# KiCad board LivSynth_Hardware_0v01.kicad_pcb (continued)
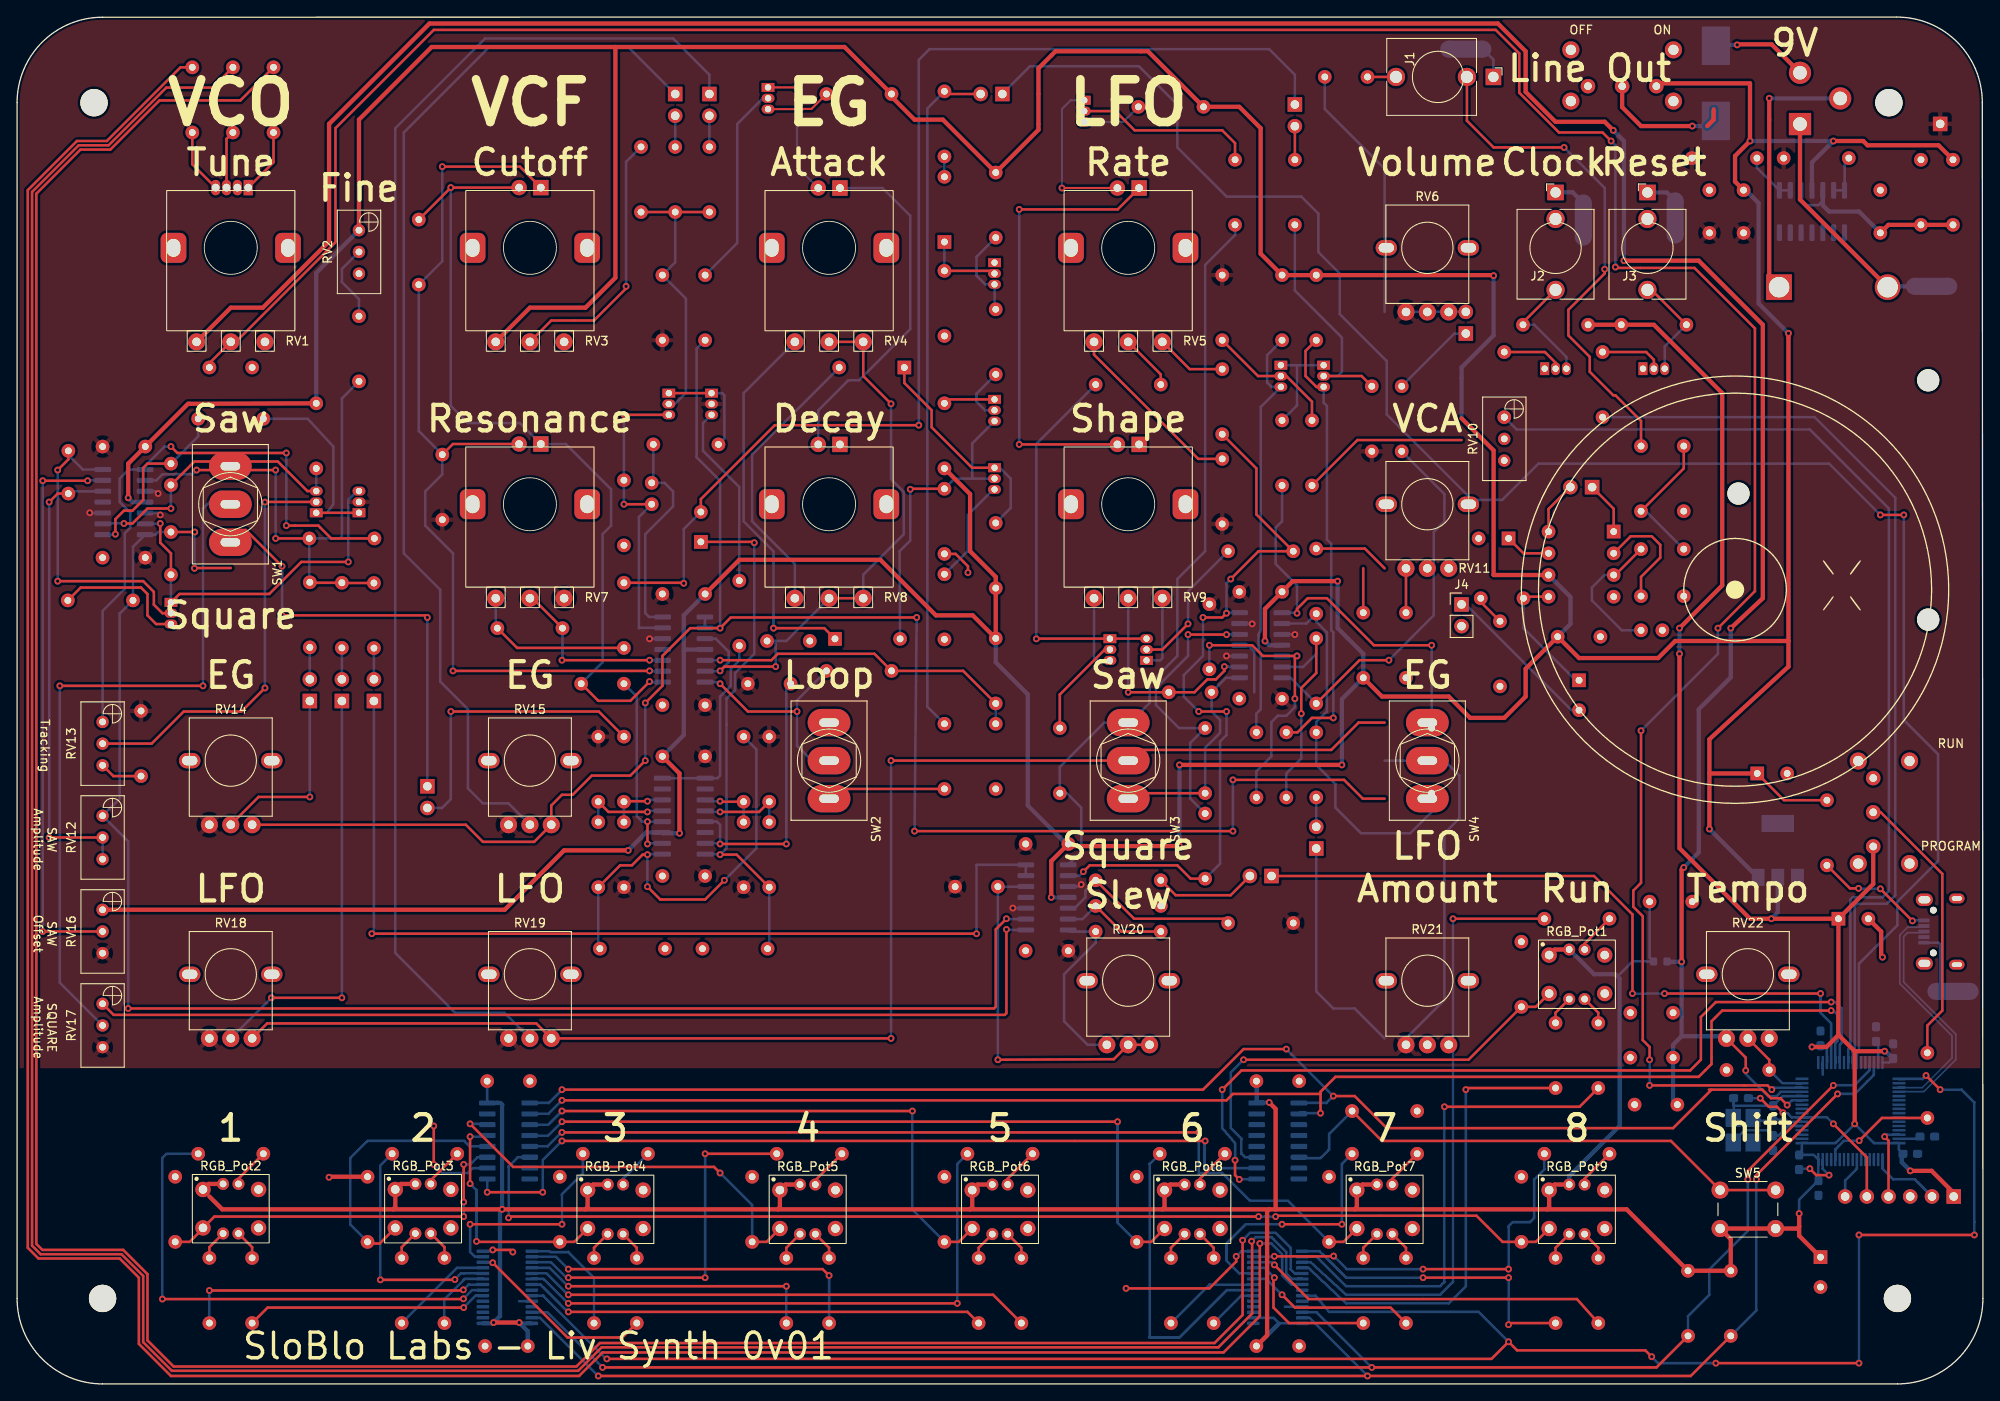
[diagram p0: board, top side]
## Placement (name value [footprint] x y rotation side) (continued)
RV13  100  [Potentiometer_Bourns_3296W_Vertical]  10 77.46 90 top
RV14  100K  [Alpha_RD901F]  25 72.93 0 top
RV15  100K  [Alpha_RD901F]  60 72.93 0 top
RV16  100K  [Potentiometer_Bourns_3296W_Vertical]  10 55.48 90 top
RV17  100K  [Potentiometer_Bourns_3296W_Vertical]  10 44.48 90 top
RV18  100K  [Alpha_RD901F]  25 47.93 0 top
RV19  100K  [Alpha_RD901F]  60 47.93 0 top
RV20  100K  [Alpha_RD901F]  130 47.18 0 top
RV21  100K  [Alpha_RD901F]  165 47.18 0 top
RV22  10K  [Alpha_RD901F]  202.5 47.93 0 top
SW1  SW_SPDT  [SW_Toggle_MS500C]  24.95 102.93 90 top
SW2  SW_SPST  [SW_Toggle_MS500C]  95 72.93 90 top
SW3  SW_SPDT  [SW_Toggle_MS500C]  130 72.93 270 top
SW4  SW_SPDT  [SW_Toggle_MS500C]  165 72.93 90 top
SW5  SW_Push  [E-Switch_TL1105SP]  202.5 20.43 0 top
SW6  SW_SPDT  [SW_E-Switch_EG1224_SPDT_Angled]  183.79 151.85 0 bottom
SW7  SW_SPDT  [SW_E-Switch_EG1224_SPDT_Angled]  217.17 70.89 270 bottom
TH1  2K 3300ppm LT16S202F33  [R_Axial_DIN0207_L6.3mm_D2.5mm_P7.62mm_Horizontal]  34.19 98.93 0 bottom
TP1  VGND  [PinHeader_1x01_P2.54mm_Vertical]  225 147.43 180 bottom
U1  TL074  [SOIC-14_3.9x8.7mm_P1.27mm]  210 137.18 270 bottom
U2  LM386  [DIP-8_W7.62mm_Socket]  186.8 99.73 180 bottom
U3  TL074  [SOIC-14_3.9x8.7mm_P1.27mm]  145.5 86.43 180 bottom
U4  TL074  [SOIC-14_3.9x8.7mm_P1.27mm]  12.5 103.18 180 bottom
U5  LM1117-3.3  [SOT-223]  206 62.43 90 bottom
U6  TL074  [SOIC-14_3.9x8.7mm_P1.27mm]  78 85.93 180 bottom
U7  LM13700  [SOP-16_3.9x9.9mm_P1.27mm]  78 66.43 180 bottom
U8  TL074  [SOIC-14_3.9x8.7mm_P1.27mm]  120.5 56.93 180 bottom
U9  STM32F405RGT6  [LQFP-64_10x10mm_P0.5mm]  214.5 31.93 0 bottom
U10  74HC165  [SOIC-16_3.9x9.9mm_P1.27mm]  147.5 28.43 180 bottom
U11  PCA9685PW  [TSSOP-28_4.4x9.7mm_P0.65mm]  147.5 11.3 0 bottom
U12  PCA9685PW  [TSSOP-28_4.4x9.7mm_P0.65mm]  57.36 11.3 0 bottom
U13  74HC165  [SOIC-16_3.9x9.9mm_P1.27mm]  57.5 28.43 180 bottom
Y1  ABM8-16  [Crystal_SMD_3225-4Pin_3.2x2.5mm_HandSoldering]  201.95 29.68 90 bottom

## Library data of the parts
D7 D8 D11 = -: Field4: K
SW1-SW4 = -: Field4: https://cdn-reichelt.de/documents/datenblatt/C200/MS-500X-X-X.pdf

## Footprints (pads in the part's own frame, mm; a bottom-side part is the same pattern mirrored in y, then rotated)
Alpha_RD901F
  round 2 hole 1: 1(-2.5,-7.5) 2(0,-7.5) 3(2.5,-7.5)
  oval 2.5x1.8 hole 1.8x1.1: 4(-4.8,0) 5(4.8,0)
BarrelJack_CUI_PJ-102AH_Horizontal
  rect 2.6x2.6 hole 1.6: 1(0,0)
  round 2.6 hole 1.6: 2(0,-6) 3(4.7,-3)
BatteryHolder_Eagle_12BH611-GR
  round 2.6 hole 2.6 unplated: (-38.9,17.45) (-24.15,-4.75) (-10.9,17.45)
  rect 3x3 hole 2.4: 1(0,0)
  round 3 hole 2.4: 2(0,12.7)
C_0603_1608Metric_Pad1.08x0.95mm_HandSolder
  rrect 1.075x0.95 smd: 1(-0.863,0) 2(0.863,0)
C_Disc_D3.0mm_W1.6mm_P2.50mm
  round 1.6 hole 0.8: 1(0,0) 2(2.5,0)
C_Rect_L7.2mm_W2.5mm_P5.00mm_FKS2_FKP2_MKS2_MKP2
  round 1.6 hole 0.8: 1(0,0) 2(5,0)
C_Rect_L7.2mm_W4.5mm_P5.00mm_FKS2_FKP2_MKS2_MKP2
  round 1.6 hole 0.8: 1(0,0) 2(5,0)
C_Rect_L7.2mm_W5.5mm_P5.00mm_FKS2_FKP2_MKS2_MKP2
  round 1.6 hole 0.8: 1(0,0) 2(5,0)
CP_Radial_D8.0mm_P3.50mm
  rect 1.6x1.6 hole 0.8: 1(0,0)
  round 1.6 hole 0.8: 2(3.5,0)
Crystal_SMD_3225-4Pin_3.2x2.5mm_HandSoldering
  rect 2.1x1.8 smd: 1(-1.45,-1.15) 2(1.45,-1.15) 3(1.45,1.15) 4(-1.45,1.15)
D_DO-35_SOD27_P7.62mm_Horizontal
  rect 1.6x1.6 hole 0.8: 1(0,0)
  oval 1.6x1.6 hole 0.8: 2(7.62,0)
D_SMC_Handsoldering
  rect 4.5x3.3 smd: 1(-4.4,0) 2(4.4,0)
DIP-8_W7.62mm_Socket
  rect 1.6x1.6 hole 0.8: 1(0,0)
  oval 1.6x1.6 hole 0.8: 2(0,-2.54) 3(0,-5.08) 4(0,-7.62) 5(7.62,-7.62) 6(7.62,-5.08) 7(7.62,-2.54) 8(7.62,0)
E-Switch_TL1105SP
  round 2 hole 1.1: 1(-3.25,2.25) 1(3.25,2.25) 2(-3.25,-2.25) 2(3.25,-2.25)
L_0603_1608Metric
  rrect 0.875x0.95 smd: 1(-0.787,0) 2(0.787,0)
LED_D5.0mm
  rect 1.8x1.8 hole 0.9: 1(0,0)
  round 1.8 hole 0.9: 2(2.54,0)
LED_D5.0mm-4_RGB
  rect 1.07x1.8 hole 0.9: 1(0,0)
  oval 1.07x1.8 hole 0.9: 2(1.27,0) 3(2.54,0) 4(3.81,0)
LQFP-64_10x10mm_P0.5mm
  rrect 1.55x0.3 smd: 1(-5.675,3.75) 2(-5.675,3.25) 3(-5.675,2.75) 4(-5.675,2.25) 5(-5.675,1.75) 6(-5.675,1.25) 7(-5.675,0.75) 8(-5.675,0.25) 9(-5.675,-0.25) 10(-5.675,-0.75) 11(-5.675,-1.25) 12(-5.675,-1.75) 13(-5.675,-2.25) 14(-5.675,-2.75) 15(-5.675,-3.25) 16(-5.675,-3.75) 33(5.675,-3.75) 34(5.675,-3.25) 35(5.675,-2.75) 36(5.675,-2.25) 37(5.675,-1.75) 38(5.675,-1.25) 39(5.675,-0.75) 40(5.675,-0.25) 41(5.675,0.25) 42(5.675,0.75) 43(5.675,1.25) 44(5.675,1.75) 45(5.675,2.25) 46(5.675,2.75) 47(5.675,3.25) 48(5.675,3.75)
  rrect 0.3x1.55 smd: 17(-3.75,-5.675) 18(-3.25,-5.675) 19(-2.75,-5.675) 20(-2.25,-5.675) 21(-1.75,-5.675) 22(-1.25,-5.675) 23(-0.75,-5.675) 24(-0.25,-5.675) 25(0.25,-5.675) 26(0.75,-5.675) 27(1.25,-5.675) 28(1.75,-5.675) 29(2.25,-5.675) 30(2.75,-5.675) 31(3.25,-5.675) 32(3.75,-5.675) 49(3.75,5.675) 50(3.25,5.675) 51(2.75,5.675) 52(2.25,5.675) 53(1.75,5.675) 54(1.25,5.675) 55(0.75,5.675) 56(0.25,5.675) 57(-0.25,5.675) 58(-0.75,5.675) 59(-1.25,5.675) 60(-1.75,5.675) 61(-2.25,5.675) 62(-2.75,5.675) 63(-3.25,5.675) 64(-3.75,5.675)
MountingHole_3.2mm_M3
  round 3.2 hole 3.2 unplated: (0,0)
NetTie-2_SMD_Pad2.0mm
  round 2 smd: 1(-2,0) 2(2,0)
PinHeader_1x01_P2.54mm_Vertical
  rect 1.7x1.7 hole 1: 1(0,0)
PinHeader_1x02_P2.54mm_Vertical
  rect 1.7x1.7 hole 1: 1(0,0)
  oval 1.7x1.7 hole 1: 2(0,-2.54)
PinHeader_1x06_P2.54mm_Vertical
  rect 1.7x1.7 hole 1: 1(0,0)
  oval 1.7x1.7 hole 1: 2(0,-2.54) 3(0,-5.08) 4(0,-7.62) 5(0,-10.16) 6(0,-12.7)
Potentiometer_Bourns_3296W_Vertical
  round 1.44 hole 0.8: 1(0,0) 2(-2.54,0) 3(-5.08,0)
R_Axial_DIN0207_L6.3mm_D2.5mm_P7.62mm_Horizontal
  round 1.6 hole 0.8: 1(0,0)
  oval 1.6x1.6 hole 0.8: 2(7.62,0)
RV141F-40-20BL
  round 2 hole 1: 1(-4,-11) 2(0,-11) 3(4,-11)
  rrect 3x3.5 hole 1.6x2.1: 4(-6.7,0) 5(6.7,0)
SOIC-14_3.9x8.7mm_P1.27mm
  rrect 1.95x0.6 smd: 1(-2.475,3.81) 2(-2.475,2.54) 3(-2.475,1.27) 4(-2.475,0) 5(-2.475,-1.27) 6(-2.475,-2.54) 7(-2.475,-3.81) 8(2.475,-3.81) 9(2.475,-2.54) 10(2.475,-1.27) 11(2.475,0) 12(2.475,1.27) 13(2.475,2.54) 14(2.475,3.81)
SOIC-16_3.9x9.9mm_P1.27mm
  rrect 1.95x0.6 smd: 1(-2.475,4.445) 2(-2.475,3.175) 3(-2.475,1.905) 4(-2.475,0.635) 5(-2.475,-0.635) 6(-2.475,-1.905) 7(-2.475,-3.175) 8(-2.475,-4.445) 9(2.475,-4.445) 10(2.475,-3.175) 11(2.475,-1.905) 12(2.475,-0.635) 13(2.475,0.635) 14(2.475,1.905) 15(2.475,3.175) 16(2.475,4.445)
SOP-16_3.9x9.9mm_P1.27mm
  rrect 2x0.6 smd: 1(-2.5,4.445) 2(-2.5,3.175) 3(-2.5,1.905) 4(-2.5,0.635) 5(-2.5,-0.635) 6(-2.5,-1.905) 7(-2.5,-3.175) 8(-2.5,-4.445) 9(2.5,-4.445) 10(2.5,-3.175) 11(2.5,-1.905) 12(2.5,-0.635) 13(2.5,0.635) 14(2.5,1.905) 15(2.5,3.175) 16(2.5,4.445)
SOT-223
  rect 2x1.5 smd: 1(-3.15,2.3) 2(-3.15,0) 3(-3.15,-2.3)
  rect 2x3.8 smd: 4(3.15,0)
SW_E-Switch_EG1224_SPDT_Angled
  round 2 hole 1.2: (-2,-4.25) (-2,1.75) (10,-4.25) (10,1.75)
  round 1.7 hole 0.9: 1(0,0) 2(4,0) 3(8,0)
SW_Toggle_MS500C
  oval 3.2x5 hole 1x2.3: 1(-4.45,0) 2(0,0) 3(4.45,0)
TC002-N11AS2XT-RGB
  round 1.8 hole 1: 1(-3.25,2.25) 2(3.25,2.25) 3(-3.25,-2.25) 4(3.25,-2.25)
  round 1.4 hole 0.8: 5(-0.9,2.9) 6(0.9,2.9) 7(0.9,-2.9) 8(-0.9,-2.9)
Thonkiconn_PJ398SM
  rect 1.93x1.83 hole 1.22: 1(0,6.48)
  round 2.13 hole 1.42: 2(0,3.38)
  round 2.13 hole 1.43: 3(0,-4.92)
TO-92_Inline
  rect 1.05x1.5 hole 0.75: 1(0,0)
  oval 1.05x1.5 hole 0.75: 2(1.27,0) 3(2.54,0)
TSSOP-28_4.4x9.7mm_P0.65mm
  rrect 1.475x0.4 smd: 1(-2.862,4.225) 2(-2.862,3.575) 3(-2.862,2.925) 4(-2.862,2.275) 5(-2.862,1.625) 6(-2.862,0.975) 7(-2.862,0.325) 8(-2.862,-0.325) 9(-2.862,-0.975) 10(-2.862,-1.625) 11(-2.862,-2.275) 12(-2.862,-2.925) 13(-2.862,-3.575) 14(-2.862,-4.225) 15(2.862,-4.225) 16(2.862,-3.575) 17(2.862,-2.925) 18(2.862,-2.275) 19(2.862,-1.625) 20(2.862,-0.975) 21(2.862,-0.325) 22(2.862,0.325) 23(2.862,0.975) 24(2.862,1.625) 25(2.862,2.275) 26(2.862,2.925) 27(2.862,3.575) 28(2.862,4.225)
USB_Micro-B_Wuerth_629105150521
  oval 0.8x0.8 hole 0.8 unplated: (-2.5,0.8) (2.5,0.8)
  rect 0.45x1.3 smd: 1(-1.3,1.9) 2(-0.65,1.9) 3(0,1.9) 4(0.65,1.9) 5(1.3,1.9)
  oval 1.15x1.8 hole 0.55x1.2: 6(-3.875,-1.95) 6(3.875,-1.95)
  oval 1.45x2 hole 0.85x1.4: 6(-3.725,1.85) 6(3.725,1.85)

## Nets
+3.3V: C31.1 C33.1 C35.1 C36.1 C38.1 C42.1 C44.1 C46.1 C47.1 C51.1 C53.1 C54.1 FB1.2 J19.1 R13.1 R15.1 R111.1 R112.1 RGB_Pot1.1 RGB_Pot1.5 RGB_Pot2.1 RGB_Pot2.5 RGB_Pot3.1 RGB_Pot3.5 RGB_Pot4.1 RGB_Pot4.5 RGB_Pot5.1 RGB_Pot5.5 RGB_Pot6.1 RGB_Pot6.5 RGB_Pot7.1 RGB_Pot7.5 RGB_Pot8.1 RGB_Pot8.5 RGB_Pot9.1 RGB_Pot9.5 SW5.2 SW7.3 U5.2 U9.1 U9.19 U9.32 U9.48 U9.64 U10.16 U11.2 U11.28 U12.1 U12.28 U13.16
+3.3VA: C34.1 C37.1 C49.1 FB1.1 RV1.1 RV22.1 U9.13
+9V: C4.1 C10.1 C12.1 C15.1 C20.1 C21.1 C25.1 C28.1 R5.1 R6.1 R12.1 R17.1 R20.1 R23.1 R42.1 R45.1 R53.1 R56.2 R63.1 R69.1 RV2.1 RV3.1 RV10.1 RV16.1 SW6.3 U1.4 U2.6 U3.4 U4.4 U5.3 U6.4 U7.11 U8.4
GND: C1.2 C3.2 C5.2 C6.1 C8.2 C18.2 C19.1 C20.2 C21.2 C24.2 C26.2 C29.2 C31.2 C32.2 C33.2 C34.2 C35.2 C36.2 C37.2 C38.2 C39.2 C41.2 C42.2 C43.2 C44.2 C45.2 C46.2 C47.2 C48.2 C49.2 C50.2 C51.2 C52.2 C53.2 C54.2 D5.2 D6.1 D9.1 J4.2 J19.3 NT1.1 NT2.1 NT3.1 NT4.2 NT5.1 Q3.1 Q4.1 Q7.1 R11.2 R24.2 R34.2 R43.2 R46.2 R49.1 R57.2 R59.2 R70.2 R82.1 R84.1 R90.1 R92.1 R94.1 R97.2 R98.1 R100.1 R103.1 R104.1 R105.1 R108.1 R109.1 RV1.3 RV2.3 RV3.3 RV10.3 RV22.3 SW7.1 U1.11 U2.4 U3.11 U4.11 U5.1 U6.11 U7.6 U8.11 U9.12 U9.18 U9.63 U10.8 U10.15 U11.1 U11.3 U11.4 U11.5 U11.14 U11.24 U11.25 U12.2 U12.3 U12.4 U12.5 U12.14 U12.24 U12.25 U13.8 U13.10 U13.15 Y1.2 Y1.4
VBUS: J16.1 R56.1
/EG/AR_OUT: R27.2 RV14.3 RV15.3 SW4.1 U6.1 U6.2
/EG/GATE_OUT: J7.1 U9.26
/IO/ADC_IN1: C5.1 RV1.2 U9.14
/IO/ADC_IN2: C52.1 RV22.2 U9.15
/IO/BTN1: R109.2 RGB_Pot2.3 U13.11
/IO/BTN2: R108.2 RGB_Pot3.3 U13.12
/IO/BTN3: R105.2 RGB_Pot4.3 U13.13
/IO/BTN4: R104.2 RGB_Pot5.3 U13.14
/IO/BTN5: R103.2 RGB_Pot6.3 U13.3
/IO/BTN6: R100.2 RGB_Pot8.3 U13.4
/IO/BTN7: R98.2 RGB_Pot7.3 U13.5
/IO/BTN8: R94.2 RGB_Pot9.3 U13.6
/IO/BTN9: R82.2 RGB_Pot1.3 U10.11
/IO/BTN_SHIFT: R97.1 SW5.1 U10.6
/IO/CLOCK_OUT: R16.1 U9.24
/IO/I2C_SCL_IN: R112.2 U9.29 U11.26 U12.26
/IO/I2C_SDA_IN: R111.2 U9.30 U11.27 U12.27
/IO/LED1_B: R9.2 U11.21
/IO/LED1_G: R8.2 U11.20
/IO/LED1_R: R10.2 U11.19
/IO/LED_OEN: U9.33 U11.23 U12.23
/IO/P1_B: R127.1 U12.8
/IO/P1_G: R110.2 U12.7
/IO/P1_R: R128.2 U12.6
/IO/P2_B: R126.1 U12.11
/IO/P2_G: R107.2 U12.10
/IO/P2_R: R125.2 U12.9
/IO/P3_B: R124.1 U12.15
/IO/P3_G: R106.2 U12.13
/IO/P3_R: R123.2 U12.12
/IO/P4_B: R122.1 U12.18
/IO/P4_G: R102.2 U12.17
/IO/P4_R: R120.2 U12.16
/IO/P5_B: R121.1 U12.21
/IO/P5_G: R101.2 U12.20
/IO/P5_R: R119.2 U12.19
/IO/P6_B: R118.1 U11.8
/IO/P6_G: R96.2 U11.7
/IO/P6_R: R116.2 U11.6
/IO/P7_B: R115.1 U11.11
/IO/P7_G: R99.2 U11.10
/IO/P7_R: R117.2 U11.9
/IO/P8_B: R113.1 U11.15
/IO/P8_G: R95.2 U11.13
/IO/P8_R: R114.2 U11.12
/IO/P9_B: R80.1 U11.18
/IO/P9_G: R79.2 U11.17
/IO/P9_R: R81.2 U11.16
/IO/RESET_OUT: R14.1 U9.25
/IO/SR_SHLDN: U9.11 U10.1 U13.1
/IO/SR_SPI_CLK: U9.21 U10.2 U13.2
/IO/SR_SPI_MISO: U9.22 U10.9
/IO/VCA_IN: J10.1 R35.2
/LFO/LFO_SQA_OUT: R4.2 R68.2 SW3.1 U8.1
/LFO/LFO_TRI_OUT: C23.2 R61.1 SW3.3 U3.8
/MCU/BOOT0: R93.2 U9.60
/MCU/DAC_OUT1: J17.1 U9.20
/MCU/HSE_IN: C50.1 U9.5 Y1.1
/MCU/HSE_OUT: C48.1 U9.6 Y1.3
/MCU/NRST: C45.1 J19.5 U9.7
/MCU/SW_BOOT0: R93.1 SW7.2
/MCU/SWD_CLK: J19.2 U9.49
/MCU/SWD_IO: J19.4 U9.46
/MCU/SWD_SWO: J19.6 U9.55
/MCU/USB_D+: J16.3 U9.36
/MCU/USB_D-: J16.2 U9.35
/MCU/VCAP_1: C32.1 U9.31
/MCU/VCAP_2: C43.1 U9.47
/ModMatrix/VCA_CV_OUT: J18.1 RV21.2
/ModMatrix/VCF_EG_OUT: J8.1 RV15.2
/ModMatrix/VCF_LFO_OUT: J9.1 RV19.2
/ModMatrix/VCO_EG_OUT: J15.1 RV14.2
/ModMatrix/VCO_LFO_OUT: J13.1 RV18.2
/Power/BAT_N: BT1.2 J5.1 NT2.2
/Power/BAT_P: BT1.1 J5.3
/Slew/V/OCT_OUT: J12.1 U8.13 U8.14
/VCA/VCA_IN: C11.2 J6.1 R47.1
/VCF/VCF_IN: J14.1 SW1.2
/VCO/SAW_OUT: C14.2 R54.2 RV12.1 SW1.1 U4.7 U8.9
/VCO/SQUARE_OUT: RV17.2 SW1.3
VGND: C3.1 C4.2 C10.2 C12.2 C15.2 C18.1 C24.1 C25.2 C27.2 C28.2 C29.1 C39.1 C40.2 C41.1 Q9.2 Q12.2 R1.2 R2.2 R18.2 R29.2 R38.2 R40.2 R52.2 R60.1 R71.2 R76.2 R78.2 R85.1 R88.1 R91.1 RV6.1 RV7.3 RV14.1 RV15.1 RV16.3 RV17.3 RV18.1 RV19.1 RV21.1 TP1.1 U3.3 U3.10 U3.13 U4.3 U4.5 U4.10 U6.12 U8.3 U8.10
Net-(C1-Pad1): C1.1 R11.1 R12.2 U1.3 U1.5
Net-(C2-Pad1): C2.1 RV6.2
Net-(C2-Pad2): C2.2 J1.3
Net-(C6-Pad2): C6.2 U2.2
Net-(C7-Pad1): C7.1 R33.2 R34.1
Net-(C8-Pad1): C8.1 U2.7
Net-(C9-Pad2): C9.2 R59.1
Net-(C11-Pad1): C11.1 R87.2 R92.2 U7.8
Net-(C13-Pad1): C13.1 Q10.3 R49.2 U6.13
Net-(C13-Pad2): C13.2 R48.2 U6.14
Net-(C14-Pad1): C14.1 Q12.3 Q14.1 U4.6
Net-(C16-Pad1): C16.1 Q13.3 R53.2 U4.9
Net-(C16-Pad2): C16.2 R32.2 U4.8
Net-(C17-Pad1): C17.1 RV12.2 RV12.3 U4.12
Net-(C17-Pad2): C17.2 Q14.2 U4.14
Net-(C19-Pad2): C7.2 C19.2 U2.3
Net-(C22-Pad1): C9.1 C22.1 U2.5
Net-(C22-Pad2): C22.2 J4.1
Net-(C23-Pad1): C23.1 RV9.2 U3.9
Net-(C26-Pad1): C26.1 RV4.2 RV4.3 RV8.2 RV8.3 U6.3 U6.6
Net-(C27-Pad1): C27.1 U7.5 U7.7
Net-(C30-Pad1): C30.1 U7.10 U7.12
Net-(C30-Pad2): C30.2 D4.2 D10.1 R30.1 U6.8
Net-(C40-Pad1): C40.1 RV20.2 RV20.3 U8.12
Net-(D1-Pad1): D1.1 SW6.2
Net-(D1-Pad2): D1.2 J5.2
Net-(D2-Pad1): D2.1 D6.2
Net-(D2-Pad2): D2.2 Q1.1
Net-(D3-Pad1): D3.1 D9.2
Net-(D3-Pad2): D3.2 Q2.1
Net-(D5-Pad1): D5.1 R10.1
Net-(D5-Pad3): D5.3 R8.1
Net-(D5-Pad4): D5.4 R9.1
Net-(D7-Pad1): D7.1 Q7.2 R24.1
Net-(D7-Pad2): D7.2 R7.2
Net-(D8-Pad1): D8.1 Q11.1 R42.2
Net-(D8-Pad2): D8.2 RV8.1
Net-(D10-Pad2): D4.1 D10.2 R30.2 R52.1 U6.9
Net-(D11-Pad1): D11.1 RV4.1
Net-(D11-Pad2): D11.2 Q8.3 Q11.2 R46.1
Net-(J1-Pad1): J1.1 NT1.2
Net-(J1-Pad2): J1.2 R33.1
Net-(J2-Pad1): J2.1 NT4.1
Net-(J2-Pad3): J2.3 Q4.3 R15.2
Net-(J3-Pad1): J3.1 NT3.2
Net-(J3-Pad3): J3.3 Q3.3 R13.2
Net-(J6-Pad2): J6.2 R3.1
Net-(J7-Pad2): J7.2 R7.1 R72.1
Net-(J8-Pad2): J8.2 R28.1
Net-(J9-Pad2): J9.2 R25.1
Net-(J10-Pad2): J10.2 RV6.3
Net-(J11-Pad1): J11.1 U2.1
Net-(J11-Pad2): J11.2 U2.8
Net-(J12-Pad2): J12.2 R51.1
Net-(J13-Pad2): J13.2 R50.1
Net-(J14-Pad2): J14.2 R77.1
Net-(J15-Pad2): J15.2 R55.1
Net-(J16-Pad5): J16.5 NT5.2
Net-(J17-Pad2): J17.2 R83.1
Net-(J18-Pad2): J18.2 R62.1
Net-(Q1-Pad2): Q1.2 R4.1
Net-(Q1-Pad3): Q1.3 R5.2
Net-(Q2-Pad2): Q2.2 R27.1
Net-(Q2-Pad3): Q2.3 R6.2
Net-(Q3-Pad2): Q3.2 R14.2
Net-(Q4-Pad2): Q4.2 R16.2
Net-(Q5-Pad1): Q5.1 Q6.1 R37.1
Net-(Q5-Pad2): Q5.2 R3.2 R38.1
Net-(Q5-Pad3): Q5.3 R20.2 R67.1
Net-(Q6-Pad2): Q6.2 R18.1 R36.1
Net-(Q6-Pad3): Q6.3 R17.2 R65.1
Net-(Q7-Pad3): Q7.3 R21.1 R23.2
Net-(Q8-Pad1): Q8.1 R45.2
Net-(Q8-Pad2): Q8.2 R21.2
Net-(Q9-Pad3): Q9.3 R44.2
Net-(Q10-Pad1): Q9.1 Q10.1 R48.1
Net-(Q10-Pad2): Q10.2 R25.2 R26.2 R28.2 R29.1
Net-(Q11-Pad3): Q11.3 R43.1
Net-(Q12-Pad1): Q12.1 Q13.1 R32.1
Net-(Q13-Pad2): Q13.2 RV13.2
Net-(Q14-Pad3): Q14.3 R54.1
Net-(Q15-Pad1): Q15.1 Q16.3 R22.2
Net-(Q15-Pad2): Q15.2 R68.1
Net-(Q15-Pad3): Q15.3 RV9.1
Net-(Q16-Pad1): Q16.1 RV9.3
Net-(Q16-Pad2): Q16.2 R41.1
Net-(R1-Pad1): R1.1 U1.6 U1.7
Net-(R2-Pad1): R2.1 U1.1 U1.2
Net-(R19-Pad1): R19.1 R41.2 R64.2 U3.14 U8.2
Net-(R19-Pad2): R19.2 RV5.3
Net-(R22-Pad1): R22.1 RV5.2
Net-(R26-Pad1): R26.1 RV3.2
Net-(R31-Pad1): R31.1 RV2.2
Net-(R31-Pad2): R31.2 R50.2 R51.2 R55.2 TH1.1 U4.2
Net-(R35-Pad1): R35.1 R66.1 U3.7
Net-(R36-Pad2): R36.2 RV10.2
Net-(R37-Pad2): R37.2 R58.2 U3.1
Net-(R39-Pad1): R39.1 RV11.2
Net-(R39-Pad2): R39.2 R58.1 R62.2 U3.2
Net-(R40-Pad1): R40.1 RV5.1
Net-(R44-Pad1): R44.1 U7.1 U7.16
Net-(R47-Pad2): R47.2 R75.1 RV7.1
Net-(R57-Pad1): R57.1 RV11.3
Net-(R60-Pad2): R60.2 R65.2 U3.5
Net-(R61-Pad2): R61.2 R64.1 U3.12
Net-(R63-Pad2): R63.2 RV11.1
Net-(R66-Pad2): R66.2 R67.2 U3.6
Net-(R69-Pad2): R69.2 R70.1 R73.1 U6.5
Net-(R71-Pad1): R71.1 R87.1 U7.4
Net-(R72-Pad2): R72.2 SW2.1
Net-(R73-Pad2): R73.2 SW2.2 U6.7
Net-(R74-Pad1): R74.1 R89.2 R90.2 U7.9
Net-(R74-Pad2): R74.2 R91.2 U7.3
Net-(R75-Pad2): R75.2 RV7.2 U6.10
Net-(R76-Pad1): R76.1 R89.1 U7.13
Net-(R77-Pad2): R77.2 R88.2 U7.14
Net-(R78-Pad1): R78.1 RV13.3
Net-(R79-Pad1): R79.1 RGB_Pot1.6
Net-(R80-Pad2): R80.2 RGB_Pot1.8
Net-(R81-Pad1): R81.1 RGB_Pot1.7
Net-(R83-Pad2): R83.2 R85.2 U8.5
Net-(R84-Pad2): R84.2 R86.1 U8.6
Net-(R86-Pad2): R86.2 RV20.1 U8.7
Net-(R95-Pad1): R95.1 RGB_Pot9.6
Net-(R96-Pad1): R96.1 RGB_Pot8.6
Net-(R99-Pad1): R99.1 RGB_Pot7.6
Net-(R101-Pad1): R101.1 RGB_Pot6.6
Net-(R102-Pad1): R102.1 RGB_Pot5.6
Net-(R106-Pad1): R106.1 RGB_Pot4.6
Net-(R107-Pad1): R107.1 RGB_Pot3.6
Net-(R110-Pad1): R110.1 RGB_Pot2.6
Net-(R113-Pad2): R113.2 RGB_Pot9.8
Net-(R114-Pad1): R114.1 RGB_Pot9.7
Net-(R115-Pad2): R115.2 RGB_Pot7.8
Net-(R116-Pad1): R116.1 RGB_Pot8.7
Net-(R117-Pad1): R117.1 RGB_Pot7.7
Net-(R118-Pad2): R118.2 RGB_Pot8.8
Net-(R119-Pad1): R119.1 RGB_Pot6.7
Net-(R120-Pad1): R120.1 RGB_Pot5.7
Net-(R121-Pad2): R121.2 RGB_Pot6.8
Net-(R122-Pad2): R122.2 RGB_Pot5.8
Net-(R123-Pad1): R123.1 RGB_Pot4.7
Net-(R124-Pad2): R124.2 RGB_Pot4.8
Net-(R125-Pad1): R125.1 RGB_Pot3.7
Net-(R126-Pad2): R126.2 RGB_Pot3.8
Net-(R127-Pad2): R127.2 RGB_Pot2.8
Net-(R128-Pad1): R128.1 RGB_Pot2.7
Net-(RV13-Pad1): RV13.1 TH1.2 U4.1
Net-(RV16-Pad2): RV16.2 U4.13
Net-(RV17-Pad1): RV17.1 U8.8
Net-(RV18-Pad3): RV18.3 RV19.3 SW3.2 SW4.3
Net-(RV21-Pad3): RV21.3 SW4.2
Net-(U10-Pad10): U10.10 U13.9

Pads without a net: J2 2; J3 2; J16 4 6; RGB_Pot1 2 4; RGB_Pot2 2 4; RGB_Pot3 2 4; RGB_Pot4 2 4; RGB_Pot5 2 4; RGB_Pot6 2 4; RGB_Pot7 2 4; RGB_Pot8 2 4; RGB_Pot9 2 4; RV1 4 5; RV3 4 5; RV4 4 5; RV5 4 5; RV6 4 5; RV7 4 5; RV8 4 5; RV9 4 5; RV11 4 5; RV14 4 5; RV15 4 5; RV18 4 5; RV19 4 5; RV20 4 5; RV21 4 5; RV22 4 5; SW2 3; SW6 1; U1 8 9 10 12 13 14; U5 4; U7 2 15; U9 2 3 4 8 9 10 16 17 23 27 28 34 37 38 39 40 41 42 43 44 45 50 51 52 53 54 56 57 58 59 61 62; U10 3 4 5 7 12 13 14; U11 22; U12 22; U13 7

## Via types
v1: diameter 0.8, hole 0.4, Top to Bottom, 269 vias

## Routing (per net, layer and track width the routed paths; a pad name or vN(x,y) marks a point on that pad's centre or on a via; arc(x,y) is an arc through that point)
+3.3V: length 556.1
  Top w0.5: v1(194.5,85.43) 194.5,62.68 202.75,54.43 v1(205.25,54.43) C31.1 ; 22.5,21.93 24,20.43 44,20.43 ; 111.5,20.43 89,20.43 ; 111.5,20.43 134,20.43 ; 111.5,20.43 111.75,20.68 RGB_Pot6.1 112.4,23.33 RGB_Pot6.5 ; 89,20.43 89.25,20.68 RGB_Pot5.1 89.9,23.33 RGB_Pot5.5 ; 89,20.43 66.5,20.43 ; C31.1 217.17,58.5 SW7.3 ; C31.1 213.1,40.83 ; RGB_Pot2.1 22.4,23.4 RGB_Pot2.5 ; 134,20.43 134.25,20.68 RGB_Pot8.1 134.9,23.33 RGB_Pot8.5 ; 134,20.43 146.5,20.43 ; 156.5,20.43 156.75,20.68 RGB_Pot7.1 157.4,23.33 RGB_Pot7.5 ; 156.5,20.43 179,20.43 ; 156.5,20.43 147.25,20.43 ; RGB_Pot9.5 179.9,23.33 RGB_Pot9.1 179.25,20.68 179,20.43 ; 215,38.93 v1(218.5,38.93) ; 215,38.93 213.1,40.83 ; 215,38.93 v1(215,30.43) ; C53.1 146.25,5.68 146.25,20.18 146.5,20.43 ; 179,20.43 188.31,20.43 R112.1 R111.1 200.5,16.93 SW5.2 SW5.2 208.25,18.18 208.5,18.43 ; 146.5,20.43 147.25,20.43 ; 66.5,20.43 66.75,20.68 RGB_Pot4.1 67.4,23.33 RGB_Pot4.5 ; 66.5,20.43 v1(56.75,20.43) 44,20.43 ; R15.1 R13.1 191.5,123.93 199.5,115.93 199.5,93.43 v1(194.5,88.43) ; C51.1 208.5,17.33 208.5,18.43 ; 213.1,40.83 211.69,39.43 v1(210,39.43) ; v1(146.5,32.93) 147.25,32.18 147.25,20.43 ; v1(221.5,24.93) 224,24.93 226.58,22.35 J19.1 ; RGB_Pot3.5 44.9,23.4 RGB_Pot3.1 44.25,20.68 44,20.43 ; 208.5,18.43 v1(208.5,19.93) ; RGB_Pot1.5 179.9,50.83 RGB_Pot1.1 ; v1(58.75,7.18) v1(55.75,7.18)
  Bottom w0.3: U9.19 211.75,39.32 211.25,39.32 C36.1 ; v1(208.5,19.93) 208.5,21.54 C46.1 U9.64 210.21,26.79 C47.1 208.82,27.12 U9.1 212.75,28.18 v1(215,30.43) 217.25,28.18 U9.48 220.18,27.39 C44.1 ; 187.25,47.68 189,49.43 FB1.2 191,49.89 C35.1 ; U9.32 219.04,37.6 C33.1 ; U11.2 147,7.73 147.65,7.08 U11.28 ; C42.1 55,32.9 U13.16
  Bottom w0.5: RGB_Pot1.5 184.5,47.93 187,47.93 187.5,47.43 187.5,30.22 181.6,24.32 RGB_Pot9.5 ; U13.16 56.19,32.87 ; 56.19,32.87 56.25,32.93 ; 56.19,32.87 56.56,32.87 56.75,32.68 v1(56.75,20.43) 56.5,20.18 56.5,7.93 v1(55.75,7.18) 55.65,7.08 U12.1 ; v1(146.5,32.93) 145.08,32.93 ; C44.1 220.5,26.79 220.5,25.93 v1(221.5,24.93) ; C36.1 210.86,39.43 v1(210,39.43) ; U10.16 145.03,35.4 C38.1 ; v1(205.25,54.43) 206,55.18 U5.2 ; v1(194.5,85.43) v1(194.5,88.43) ; 60.22,7.08 58.85,7.08 v1(58.75,7.18) 59.75,6.18 C54.1 ; v1(218.5,38.93) 218.64,38.93 C33.1 ; 147.65,7.08 C53.1
+3.3VA: length 348.3
  Top w0.3: v1(202.25,36.68) 202.25,38.18 RV22.1
  Top w0.5: v1(195,60.43) 194.75,60.18 v1(194.75,49.39) ; RV1.1 25,125.93 28.75,125.93 36.5,133.68 36.5,147.43 48.25,159.18 173.25,159.18 176.5,155.93 176.5,151.18 180,147.68 185.75,147.68 v1(186.75,146.68) ; v1(188,131.43) 196.75,131.43 204.25,123.93 204.25,91.93 v1(200.5,88.43)
  Bottom w0.3: v1(202.25,36.68) 202.25,36.28 204.9,33.63 205.8,33.63 206.35,34.18 U9.13
  Bottom w0.5: 194.75,40.68 v1(194.75,49.39) 193.07,49.39 FB1.1 ; 194.75,40.68 199.75,40.68 RV22.1 ; 194.75,40.68 193.75,39.68 C37.1 193.75,33.18 C49.1 ; v1(195,60.43) 196.75,62.18 196.75,78.93 200.5,82.68 v1(200.5,88.43) ; v1(186.75,146.68) 188,145.43 v1(188,131.43)
+9V: length 840.4
  Top w0.3: C20.1 206.73,68.3 R56.2
  Top w0.5: RV3.1 60,125.93 66.5,125.93 70,129.43 70,156.43 ; v1(13,103.68) 13,107.68 C15.1 20,114.68 20.25,114.68 R53.1 ; U2.6 172.78,94.65 172.75,94.68 172.75,109.23 169,112.98 ; v1(71.5,62.43) 64,62.43 57.05,55.48 RV16.1 ; 70,156.43 96.81,156.43 R6.1 102.31,150.62 105,147.93 108.31,147.93 R23.1 119.5,146.74 119.5,153.93 121.5,155.93 132.31,155.93 R5.1 143,149.43 145.5,146.93 145.5,132.24 R17.1 R20.1 172.69,129.74 v1(172.75,129.68) ; 70,156.43 48.5,156.43 40,147.93 RV2.1 ; 207.25,86.93 v1(207.25,122.93) ; 207.25,86.93 194,86.93 192,84.93 182.75,84.93 C21.1 176.5,83.68 176.5,80.43 174,77.93 170,77.93 167.5,80.43 159.69,80.43 R63.1 ; 207.25,86.93 207.25,83.93 198,75.43 198,71.43 ; R12.1 224.81,144.93 216.5,144.93 216,145.43 v1(212.5,145.43) ; C12.1 84.5,96.43 101,96.43 107.5,89.93 111.81,89.93 R69.1 R42.1 114.5,94.43 111.5,97.43 111.5,104.12 R45.1 ; SW6.3 192.12,152.18 202.75,152.18 v1(202.75,145.43) 201,143.68 201,140.68 C4.1 ; v1(154.5,93.93) 149.25,93.93 C10.1 146,90.68 v1(146,86.93) ; v1(121,56.93) 121,61.18 C25.1 123.25,62.93 v1(136,62.93) ; 198,71.43 v1(198,64.93) ; 198,71.43 C20.1 ; v1(77.5,64.43) 77.5,71.43 C28.1 ; v1(155,72.43) v1(136,72.43)
  Bottom w0.5: U5.3 203.65,59.28 v1(198,64.93) ; C12.1 78,89.93 78,85.68 ; RV2.1 35,129.99 R53.1 ; v1(77.5,64.43) 75.59,64.43 U7.11 73.59,64.52 v1(71.5,62.43) ; v1(172.75,129.68) 172.75,122.68 169,118.93 169,112.98 ; U4.4 13.5,103.18 v1(13,103.68) ; v1(154.5,93.93) 154.5,88.43 157.5,85.43 R63.1 155,80.12 v1(155,72.43) ; 78,85.68 78,75.93 C28.1 ; 78,85.68 78.25,85.93 U6.4 ; v1(136,72.43) v1(136,62.93) ; v1(121,56.93) U8.4 ; C21.1 181.75,88.93 181.75,92.08 U2.6 ; R69.1 114.5,84.43 118.25,80.68 118.25,67.68 122.75,63.18 C25.1 ; v1(146,86.93) 146.5,86.43 U3.4 ; v1(202.75,145.43) v1(212.5,145.43) 210,142.93 U1.4 ; v1(207.25,122.93) 203.75,126.43 203.75,138.18 202.25,139.68 C4.1
GND: length 75.3
  Top w0.3: v1(209.75,25.18) 210.5,24.43 v1(212,24.43) ; R46.2 109.81,97.12 111.25,95.68 v1(111.25,94.93) ; v1(48.75,25.68) v1(48.75,30.18) ; v1(129.75,11.18) 139.5,11.18 142.63,14.31 v1(142.63,14.93) ; v1(58,15.43) 57.75,15.68 v1(55.65,15.68)
  Top w0.5: v1(218.25,49.93) 218.1,50.08 218.1,52.93 C31.2 ; v1(36.5,24.18) 36.56,24.24 R108.1
  Bottom w0.3: U12.14 55.5,15.53 v1(55.65,15.68) ; U11.14 143.23,15.53 v1(142.63,14.93) ; Y1.2 200.84,31.17 C45.2 200.84,32.59 200.9,32.53 200.91,32.54 C48.2 206.59,33.68 U9.12 ; v1(212,24.43) 211.25,25.18 U9.63 ; C47.2 208.61,25.18 v1(209.75,25.18) ; U9.18 211.25,36.18 ; 60.22,9.68 58.75,9.68 ; U3.11 144,86.43 144.75,85.68 144.75,80.93 ; U11.25 148.35,9.03 ; v1(48.75,25.68) 49.75,24.68 52.75,24.68 53.32,25.25 U13.10
VBUS: length 14.1
  Top w0.3: v1(218,57.93) v1(221.75,54.18) ; R56.1 214.45,57.98 v1(215.45,57.98)
  Bottom w0.3: J16.1 221.8,54.23 v1(221.75,54.18) ; v1(218,57.93) 215.5,57.93 v1(215.45,57.98)
/EG/AR_OUT: length 222
  Top w0.3: v1(73.5,79.68) 75.5,81.68 75.5,85.18 78.75,88.43 v1(82.25,88.43) 83.5,89.68 v1(105.25,89.68) ; RV14.3 52.5,65.43 54.5,63.43 60.5,63.43 RV15.3 62.5,67.68 63.75,68.93 65,68.93 67.25,71.18 71.75,71.18 v1(73.5,72.93) ; v1(142.25,70.68) 155.25,70.68 157.45,68.48 160,68.48 ; v1(142.25,64.68) v1(105,64.68)
  Bottom w0.3: v1(142.25,70.68) v1(142.25,64.68) ; R27.2 79.5,121.12 79.5,108.43 82.25,105.68 v1(82.25,88.43) 82.21,88.47 U6.2 U6.1 ; v1(73.5,79.68) v1(73.5,72.93) ; v1(105.25,89.68) v1(105,64.68)
/EG/GATE_OUT: length 213.8
  Top w0.3: v1(218,101.68) v1(220.75,101.68)
  Bottom w0.3: U9.26 215.25,38.68 215.5,38.93 215.5,49.18 220,53.68 220,56.43 224.75,61.18 224.75,73.68 220.75,77.68 v1(220.75,101.68) ; v1(218,101.68) 212,107.68 178,107.68 173.75,103.43 170.25,103.43 160.25,113.43 160.25,119.68 154.75,125.18 154.75,129.93 152.25,132.43 152.25,136.93 150.25,138.93 141.5,138.93 135.75,144.68 135.75,149.68 131.25,154.18 118.5,154.18 115.28,150.95 J7.1
/IO/ADC_IN1: length 344.5
  Top w0.3: v1(187,130.68) 187.1,130.58 196.25,130.58 203.33,123.5 203.33,92.75 v1(199,88.43) ; v1(205.3,34.43) 204.8,34.93 201.95,34.93 ; v1(191,37.93) 191,39.43 190.2,40.23 190.2,54.73 189.1,55.83 189.1,57.73 190,58.63 v1(190,76.43) ; v1(186.5,145.43) 185.5,146.43 180.4,146.43 175.75,151.08 175.75,155.68 173,158.43 48.75,158.43 37.25,146.93 37.25,133.58 25.6,121.93 RV1.2 22.5,119.43 C5.1 ; v1(191,34.93) 202.25,34.93
  Bottom w0.3: v1(186.5,145.43) 187,144.93 v1(187,130.68) ; v1(191,37.93) v1(191,34.93) ; v1(190,76.43) 199,85.43 v1(199,88.43) ; U9.14 205.55,34.68 v1(205.3,34.43)
/IO/ADC_IN2: length 9.2
  Top w0.3: C52.1 205,37.93 RV22.2
  Bottom w0.3: U9.15 206.55,35.18 C52.1
/IO/BTN1: length 44.2
  Top w0.3: v1(52.25,19.58) 23.08,19.58 RGB_Pot2.3 21.75,18.18 20.19,16.62 R109.2 ; v1(52.25,21.28) v1(52.25,25.68)
  Bottom w0.3: v1(52.25,19.58) v1(52.25,21.28) ; U13.11 53.84,26.52 53,25.68 v1(52.25,25.68)
/IO/BTN2: length 31.8
  Top w0.3: RGB_Pot3.3 42.43,16.43 41.19,16.43 R108.2
  Bottom w0.3: R108.2 39,18.62 39,26.43 41,28.43 52.32,28.43 52.95,27.79 U13.12
/IO/BTN3: length 28.3
  Top w0.3: RGB_Pot4.3 65.19,16.62 R105.2 53.81,16.62 v1(53.75,16.68) ; v1(53,23.43) v1(53,28.93)
  Bottom w0.3: U13.13 54.89,28.93 v1(53,28.93) ; v1(53,23.43) 53.75,22.68 v1(53.75,16.68)
/IO/BTN4: length 47.2
  Top w0.3: v1(82.25,24.68) 81.54,25.39 58.04,25.39 v1(53,30.43) ; RGB_Pot5.3 87.69,16.62 R104.2
  Bottom w0.3: U13.14 54.93,30.43 v1(53,30.43) ; v1(82.25,24.68) 86,20.93 R104.2
/IO/BTN5: length 66.2
  Top w0.3: RGB_Pot6.3 110.19,16.62 R103.2 ; v1(63.75,31.93) v1(104.75,31.93)
  Bottom w0.3: v1(104.75,31.93) 104.75,20.37 R103.2 ; U13.3 62.16,30.33 v1(63.75,31.93)
/IO/BTN6: length 88.3
  Top w0.3: R100.2 132.69,16.62 RGB_Pot8.3 ; v1(63.75,30.68) v1(128.75,30.68)
  Bottom w0.3: R100.2 128.75,18.87 v1(128.75,30.68) ; v1(63.75,30.68) 62.13,29.06 U13.4
/IO/BTN7: length 106.2
  Top w0.3: v1(63.75,29.43) v1(138.25,29.43) ; R98.2 155.19,16.62 RGB_Pot7.3
  Bottom w0.3: v1(138.25,29.43) 138.25,24.68 141,24.68 144.25,21.43 148.69,21.43 R98.2 ; v1(63.75,29.43) 63.69,29.43 62.05,27.79 U13.5
/IO/BTN8: length 132.7
  Top w0.3: v1(145.25,19.58) 57.65,19.58 v1(57.5,19.43) ; v1(147.25,19.58) 147.35,19.68 170.75,19.68 173.81,16.62 R94.2 177.69,16.62 RGB_Pot9.3
  Bottom w0.3: v1(147.25,19.58) v1(145.25,19.58) ; v1(57.5,19.43) 57.5,25.43 58.59,26.52 U13.6
/IO/BTN9: length 53
  Top w0.3: v1(143.5,37.93) 169.81,37.93 R82.2 177.69,44.12 RGB_Pot1.3
  Bottom w0.3: v1(143.5,37.93) 142,36.43 142,29.93 143.25,28.68 143.25,26.93 143.66,26.52 U10.11
/IO/BTN_SHIFT: length 63
  Top w0.3: R97.1 159.69,28.43 193.5,28.43 SW5.1 SW5.1
  Bottom w0.3: R97.1 153.5,29.24 153.5,27.43 152.5,26.43 150.07,26.43 U10.6
/IO/CLOCK_OUT: length 118.3
  Bottom w0.3: U9.24 214.25,39.18 214.5,39.43 214.5,56.68 214.75,56.93 218.25,56.93 219,57.68 219,102.43 209.75,111.68 175.44,111.68 R16.1
/IO/I2C_SCL_IN: length 192.5
  Top w0.3: v1(202.5,23.93) 202.5,24.93 v1(212.5,34.93) ; R112.2 191.81,1.93 v1(158.5,1.93) v1(68.5,1.93)
  Bottom w0.3: 60.22,8.38 62.05,8.38 v1(68.5,1.93) ; U9.29 216.75,36.73 214.95,34.93 v1(212.5,34.93) ; R112.2 195.5,7.93 198,10.43 198,13.43 202.5,17.93 v1(202.5,23.93) ; U11.26 152.05,8.38 v1(158.5,1.93)
/IO/I2C_SDA_IN: length 195.6
  Top w0.3: v1(213,33.93) 203.5,24.43 v1(203.5,23.93) ; v1(68,0.93) v1(158,0.93) 195.81,0.93 R111.2
  Bottom w0.3: v1(158,0.93) 151.2,7.73 U11.27 ; 60.22,7.73 61.2,7.73 v1(68,0.93) ; U9.30 217.25,36.18 215,33.93 v1(213,33.93) ; R111.2 203.5,8.62 v1(203.5,23.93)
/IO/LED1_B: length 323.6
  Top w0.3: R9.2 19.12,154.05 10.5,145.43 7,145.43 1.25,139.68 1.25,15.93 2.5,14.68 12,14.68 14.25,12.43 14.25,4.68 18,0.93 65.75,0.93 68.5,3.68 141.15,3.68 145.4,7.93 v1(145.4,16.43)
  Bottom w0.3: U11.21 149.09,11.63 148,12.72 148,15.18 146.75,16.43 v1(145.4,16.43)
/IO/LED1_G: length 327.1
  Top w0.3: v1(144.44,16.7) 144.5,16.63 144.5,8.23 140.55,4.28 68.4,4.28 65.65,1.53 18.1,1.53 14.75,4.89 14.75,12.64 12.21,15.18 2.75,15.18 1.75,16.18 1.75,139.47 7.21,144.93 10.71,144.93 17.46,151.68 22.88,151.68 R8.2
  Bottom w0.3: U11.20 149.15,12.28 148.5,12.93 148.5,15.43 146.75,17.18 144.92,17.18 v1(144.44,16.7)
/IO/LED1_R: length 330.4
  Top w0.3: R10.2 26.13,150.18 16.66,150.18 10.91,144.43 7.41,144.43 2.25,139.26 2.25,16.39 2.96,15.68 12.41,15.68 15.25,12.84 15.25,5.09 18.31,2.03 65.44,2.03 68.19,4.78 140.1,4.78 143.38,8.07 v1(143.38,16.81)
  Bottom w0.3: U11.19 149.5,12.93 149,13.43 149,15.93 147.25,17.68 144.25,17.68 v1(143.38,16.81)
/IO/LED_OEN: length 241
  Top w0.3: v1(229,17.43) v1(215.5,17.43) ; v1(215.5,2.43) v1(198.75,2.43) ; v1(225,34.43) v1(223.35,36.08) ; v1(69,2.93) 172.5,2.93 v1(174.5,4.93) 175.5,3.93 190.5,3.93 v1(191.25,3.18)
  Bottom w0.3: v1(223.35,36.08) 222.94,35.68 U9.33 ; U11.23 151.9,10.33 153.5,8.43 171,8.43 v1(174.5,4.93) ; 60.22,10.33 61.54,10.33 68.94,2.93 v1(69,2.93) ; v1(225,34.43) 227.5,34.43 229,32.93 v1(229,17.43) ; v1(215.5,17.43) v1(215.5,2.43) ; v1(198.75,2.43) 192,2.43 v1(191.25,3.18)
/IO/P1_B: length 36.1
  Top w0.3: v1(52.2,11) 52.13,10.93 v1(22.5,10.93)
  Bottom w0.3: v1(52.2,11) 52.83,11.63 U12.8 ; v1(22.5,10.93) R127.1
/IO/P1_G: length 58.8
  Top w0.3: v1(52.22,9.96) 52.19,9.93 v1(17,9.93)
  Bottom w0.3: v1(52.22,9.96) 53.24,10.98 U12.7 ; v1(17,9.93) 17,26.43 17.5,26.93 R110.2
/IO/P1_R: length 28.3
  Top w0.3: v1(52.25,8.93) 29.31,8.93 R128.2
  Bottom w0.3: v1(52.25,8.93) 53.65,10.33 U12.6
/IO/P2_B: length 12.2
  Bottom w0.3: U12.11 51.46,13.58 R126.1
/IO/P2_G: length 27.6
  Top w0.3: v1(42.5,12.18) 51.19,12.18 v1(51.22,12.21)
  Bottom w0.3: v1(51.22,12.21) 51.94,12.93 U12.10 ; R107.2 42.5,25.55 v1(42.5,12.18)
